# Altium PCB PCB1.PcbDoc (part 1 of 2) (continued)
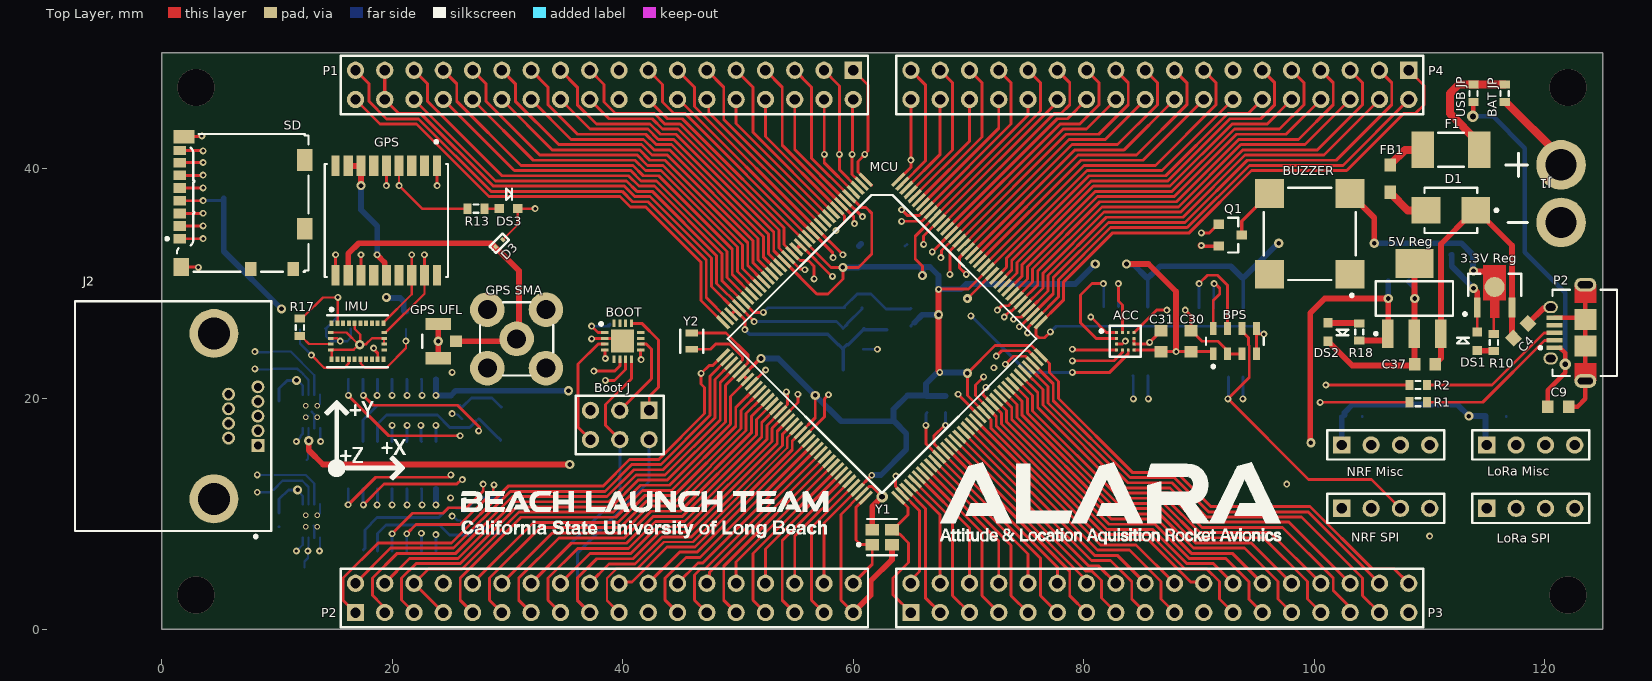
[diagram p0: Top Layer view]
## Footprints (in the part's own frame and the unit in brackets; to place one, negate y for a bottom-side part, rotate by r counter-clockwise, add the part's x,y. Pads: shape width x height; smd on the part's side, far side on the other; paste and mask are expansions set on the pad) (continued)
  silkscreen extent 1.28,-18.21 20.21,0.71, body extent -0.25,-19.74 21.75,2.26, height 1.59
MOLX-47589-0001_V [mm] "SMD, 5-Leads, Body 7.5x5.6mm, Pitch 0.65mm"
  rect 0.4x1.35 smd: 1(-1.3,1.175) 2(-0.65,1.175) 3(0,1.175) 4(0.65,1.175) 5(1.3,1.175)
  oval 1.05x1.25 hole 0.65 slot 0.85 at 90 deg: 6(-2.225,1.5) 7(2.225,1.5)
  oval 1.2x1.9 hole 0.6 slot 1.3 at 90 deg: 8(-4.175,-1.5) 11(4.175,-1.5)
  rect 1.8x1.9 smd: 9(-1.15,-1.5) 10(1.15,-1.5)
  Top Layer region: -2.6,-0.55 -4.175,-0.55 -4.175,-2.45 -2.6,-2.45
  Top Layer region: 2.6,-2.45 4.175,-2.45 4.175,-0.55 2.6,-0.55
  silkscreen extent -3.75,-4.25 3.75,2.52, body extent -4.32,-4.25 4.32,1.64, height 2.74
MOLX-104031-0811_V [mm] "Micro SD, 8-Leads, Body 11.95x11.4mm, Pitch 1.1mm"
  rect 0.85x1.1 smd: 1(3.113,-5.412) 2(2.013,-5.412) 3(0.913,-5.412) 4(-0.188,-5.412) 5(-1.288,-5.412) 6(-2.387,-5.412) 7(-3.487,-5.412)
  rect 0.75x1.1 smd: 8(-4.537,-5.412)
  rect 1.2x1 smd: 9(5.747,0.738) 10(5.748,4.438)
  rect 1.55x1.35 smd: 11(5.573,-5.287)
  rect 1.17x1.8 smd: 12(-5.747,-5.062)
  rect 1.9x1.35 smd: 13(-3.722,5.413) 14(2.248,5.413)
  silkscreen extent -5.97,-6.64 5.98,5.74, body extent -5.97,-5.66 5.98,5.74, height 1.45
QFN50P300X300X65-17N-D [mm]
  rect 0.65x0.25 smd: 1(-1.55,0.75) 2(-1.55,0.25) 3(-1.55,-0.25) 4(-1.55,-0.75) 9(1.55,-0.75) 10(1.55,-0.25) 11(1.55,0.25) 12(1.55,0.75)
  rect 0.25x0.65 smd: 5(-0.75,-1.55) 6(-0.25,-1.55) 7(0.25,-1.55) 8(0.75,-1.55) 13(0.75,1.55) 14(0.25,1.55) 15(-0.25,1.55) 16(-0.75,1.55)
  rect 2x2 smd: 17(0,0)
  silkscreen extent -2,1.38 -1.75,1.62, body extent -1.55,-1.55 1.55,1.55, height 0.65
ROS-32K101-400L5_V [mm] "SMA Straight Jack, 6.35x6.35x9.5mm, Rosenberger Recommended"
  round 3 hole 1.65: 1(0,0) MH(-2.54,-2.54) MH(-2.54,2.54) MH(2.54,-2.54) MH(2.54,2.54)
  silkscreen extent -3.17,-3.18 3.18,3.17, body extent -3.17,-3.17 3.18,3.18, height 9.5
SMD-0603 [mm] "Chip Inductor, 2-Leads, Body 1.6x0.8mm"
  rect 0.85x0.7 smd: 1(-0.775,0) 2(0.775,0)
  body extent -0.8,-0.4 0.8,0.4, height 0.79
SMD-0805 [mm] "Chip Inductor, 2-Leads, Body 2.0x1.2mm"
  rect 1.15x1 smd: 1(-1.175,0) 2(1.175,0)
  body extent -1,-0.6 1,0.6, height 0.89
"SOIC-8 - duplicate" [mm]
  rect 2x0.5 smd: 1(0,0)
  oval 2x0.5 smd: 2(0,-1.27) 3(0,-2.54) 4(0,-3.81) 5(6,-3.81) 6(6,-2.54) 7(6,-1.27) 8(6,0)
  silkscreen extent 1.27,-4.44 4.7,0.63, body extent 0.05,-4.36 6.05,0.55, height 1.7
SOT-223-DB3_M [mm] "SOT223, 4-Leads, Body 6.5x3.5mm, Pitch 2.3mm, Lead Span 7mm, IPC Low Density"
  rect 2.5x1 smd: 1(-3.05,2.3) 2(-3.05,0) 3(-3.05,-2.3)
  rect 2.5x3.3 smd: 4(3.05,0)
  silkscreen extent -3.17,-3.35 1.5,3.47, body extent -1.85,-3.35 1.85,3.35, height 1.8
TECO-MS560702BA03-50_V [mm] "SMD, 8-Leads, Body 3x5mm, Pitch 1.25mm"
  rect 1.1x0.6 smd: 1(-1.1,1.875) 2(-1.1,0.625) 3(-1.1,-0.625) 4(-1.1,-1.875) 5(1.1,-1.875) 6(1.1,-0.625) 7(1.1,0.625) 8(1.1,1.875)
  silkscreen extent -2.32,-2.5 0.32,2.5, body extent -1.5,-2.5 1.5,2.5, height 1
WE-150060VS75000_V [mm] "SMD, 2-Leads, Body 1.6x0.8mm"
  rect 0.8x0.8 smd: 1(-0.8,0) 2(0.8,0)
  silkscreen extent -0.3,-1.75 0.2,-0.75, body extent -0.8,-0.4 0.8,0.4, height 0.7
XT30 [mm]
  round 4.3 hole 2.7: 1(0,0) 2(5,0)
  body extent -2.62,-2.63 7.62,2.63, height 10.75

## Part data
"3.3V Reg": library part CMP-12756-000007-1, "IC REG LINEAR 3.3V 800MA SOT89", Dropout Voltage=1.2V, Manufacturer="Diodes Inc.", Max Junction Temp=+125°C, Max Supply Voltage=15V, Nominal Supply Current=4mA, Output Current=1.35A, Output Voltage=3.3V, Package=SOT89, Temperature="-20°C to +125°C", Temperature Range Low=-20°C, Accuracy Percentage=1%, Automotive=No, Category=IC, ComponentLink2Description=Datasheet, ComponentLink2URL=https://www.diodes.com/assets/Datasheets/AZ1117C.pdf, Device Class L1="Integrated Circuits (ICs)", Device Class L2="Power Management ICs", Device Class L3="Voltage Regulators - Linear", Digikey Description="IC REG LINEAR 3.3V 800MA SOT89", Footprint Url=https://www.diodes.com/assets/Package-Files/SOT89.pdf, Height=1.6mm, Lead Free=Yes, Manufacturer Part Number=AZ1117CR-3.3TRG1, Mouser Description="DiodesZetex AZ1117CR-3.3TRG1, LDO Regulator, 800mA, 3.3 V, ±1% 3-Pin, SOT-89", Number Of Outputs=1, Octopart=https://octopart.com/az1117cr-3.3trg1-diodes+inc.-30954805, Output Type=Fixed, RoHS=TRUE, Temperature Range High=+125°C
"5V Reg": library part CMP-0136-00510-1, "150 mA, 28V LDO Regulator With Shutdown, 3-Pin SOT-223, Industrial Temperature, Tape and Reel", DatasheetVersion="revB, Nov-2009", PackageDescription="3-Lead Plastic Small Outline Transistor (DB) [SOT-223]", PackageReference=SOT-223-DB3, PackageVersion="revBB, Aug-2009"
ACC: library part CMP-223024-000001-1, "105C OPERATING HIGHER BANDWIDTH,"
"BAT JP" R1 R2 R3 R10 R11 R12 R13 R14 R15 R16 R17 R18 "USB JP": library part Res3, "Resistor", LatestRevisionDate=29-May-2009, LatestRevisionNote="IPC-7351 Footprint Added.", PackageDescription="Chip Resistor", PackageReference=J1-0603, Published=8-Jun-2000, Publisher="Altium Limited"
BOOT: "Integrated Circuit", Manufacturer_Name=NXP, Mouser Part Number=841-MKL02Z32VFG4, Arrow Part Number=MKL02Z32VFG4, Arrow Price/Stock=https://www.arrow.com/en/products/mkl02z32vfg4/nxp-semiconductors, Datasheet Link=http://www.nxp.com/docs/en/data-sheet/KL02P32M48SF0.pdf, Height=0.65mm, Manufacturer_Part_Number=MKL02Z32VFG4, Mouser Price/Stock=https://www.mouser.co.uk/ProductDetail/NXP-Semiconductors/MKL02Z32VFG4?qs=RECgZY%252BK1xLpPFD7GzHxWg%3D%3D
"Boot J": "Header, 3-Pin, Dual row", LatestRevisionDate=17-Jul-2002, LatestRevisionNote="Re-released for DXP Platform.", Publisher="Altium Limited"
BPS: library part CMP-2000-07512-1, "Barometric Pressure Sensor, with Stainless Steel Cap , 1.8 to 3.6 V, -40 to 85 degC, 8-Pin SMD, RoHS, Tape and Reel", Manufacturer="TE Connectivity", Package Description="8-Pin Surface Mount Device, Body 3 x 5 mm, Pitch 1.25 mm", Datasheet URL=http://www.te.com/commerce/DocumentDelivery/DDEController?Action=showdoc&DocId=Data+Sheet%7FMS5607-02BA03%7FB2%7Fpdf%7FEnglish%7FENG_DS_MS5607-02BA03_B2.pdf%7FMS560702BA03-50, Datasheet Version=06/2017, Lead Free=LeadFree, Manufacturer URL=http://www.te.com/, Mounting Technology=SurfaceMount, Package Reference=MS560702BA03-50, RoHSCompliant=false
BUZZER: library part CMP-247804-000002-1, "AUDIO MAGNETIC XDCR 2-4V SMD", Current=100mA, Frequency=2700Hz, Manufacturer="Soberton Inc.", Max Supply Voltage=4.5V, Min Supply Voltage=2.5V, Operating Supply Voltage=3.6V, Temperature="-30°C to +85°C", Temperature Range High=+85°C, Temperature Range Low=-30°C, Automotive=No, Category=Speak, ComponentLink2Description=Datasheet, ComponentLink2URL=https://www.soberton.com/wp-content/uploads/2019/02/ST-025BH-19-Feb-2019.pdf, Device Class L1=Electromechanical, Device Class L2="Audio Products", Device Class L3=Buzzers, Digikey Description="AUDIO MAGNETIC XDCR 2-4V SMD", Height=3mm, Lead Free=Yes, Manufacturer Part Number=ST-025BH, Octopart=https://octopart.com/st-025bh-soberton-22171825, Package=ST-025BH, RoHS=TRUE
C4 C6 C7 C9 C11 C12 C20 C21 C22 C23 C24 C25 C26 C28 C29 C30 C31 C35 C36 C37 C38 C39 C40 C41 C42 C43 C44 C45 C46 C47 C48: library part C?
C49 C50: library part CMP-2006-01550-1, Manufacturer=Vitramon, Part Number=VJ0603Y104KXQCW1BC
"CAN1 CON" "CAN2 CON": library part CMP-06298-000003-1, "IC CANBUS CONTROLLER SPI 14SOIC", Ambient Temperature Range High=+150°C, Ambient Temperature Range Low=-40°C, Manufacturer=Microchip, Max Junction Temp=+165°C, Max Supply Voltage=5.5V, Min Supply Voltage=2.7V, Nominal Supply Current=15mA, Package=C04-065-SL, Temperature="-40°C to +150°C", Automotive=No, Category=IC, ComponentLink2Description=Datasheet, ComponentLink2URL=http://ww1.microchip.com/downloads/en/DeviceDoc/MCP2517FD-External-CAN-FD-Controller-with-SPI-Interface-20005688B.pdf, Device Class L1="Integrated Circuits (ICs)", Device Class L2="Interface ICs", Device Class L3=Controllers, Digikey Description="IC CANBUS CONTROLLER SPI 14SOIC", Footprint Url=http://ww1.microchip.com/downloads/en/DeviceDoc/14L%20SOIC%203_90%20mm%20%28SL%29%20C04-00065d.pdf, Function=Controller, Height=1.75mm, Interface=SPI,CAN, Ipc Land Pattern Name=SOIC127P600X175-14, Lead Free=Yes, Manufacturer Part Number=MCP2517FD-H/SL, Mouser Description="Stand-Alone Can Fd Controller w/Spi Interface, 14 Soic .150in Tube", Octopart=https://octopart.com/mcp2517fd-h%2Fsl-microchip-83497369, RoHS=TRUE, Standoff Height=0.1mm, Temperature Range High=+150°C, Temperature Range Low=-40°C
"CAN1 TRAN" "CAN2 TRAN": library part CMP-06279-000021-1, "IC TRANSCEIVER 1/1 8TDFN", Max Operating Temperature=125°C, Min Operating Temperature=-40°C, Data Rate=8Mbps, Mount="Surface Mount", Packaging="Tape and Reel", Receiver Hysteresis=200mV, RoHS Compliant=Yes
D1: library part CMP-12791-000030-1, "DIODE GEN PURP 1KV 3A SMB", Capacitance=40pF, Forward Current=3A, Manufacturer="Diodes Inc.", Max Junction Temp=+150°C, Max Repetitive Reverse Voltage=1000V, Max Surge Forward Current=100A, Package=SMB, Peak Reverse Current=10uA, Temperature="-65°C to +150°C", Temperature Range Low=-65°C, Automotive=No, Category=Diode, ComponentLink2Description=Datasheet, ComponentLink2URL=https://www.diodes.com/assets/Datasheets/ds16005.pdf, Device Class L1="Discrete Semiconductors", Device Class L2=Diodes, Device Class L3="Rectifier Diodes", Digikey Description="DIODE GEN PURP 1KV 3A SMB", Footprint Url=https://www.diodes.com/assets/Package-Files/SMB.pdf, Height=2.5mm, Lead Free=Yes, Manufacturer Part Number=S3MB-13-F, Mouser Description="Rectifiers 1000V 3A", Octopart=https://octopart.com/s3mb-13-f-diodes+inc.-333387, Reverse Voltage=1000V, RoHS=TRUE, Standoff Height=0.05mm, Temperature Range High=+150°C
D3 NOR1 NOR2: library part Component_1
DS1 DS2 DS3: library part CMP-1426-00006-4, "WL-SMCW SMD Chip LED Top View Monocolor Waterclear, 30 mA, 2 V, -40 to 85 degC, 2-Pin SMD, RoHS, Tape and Reel", ComponentLink1Description="Manufacturer URL", ComponentLink1URL=https://www.we-online.com/, ComponentLink2Description=Datasheet, ComponentLink2URL=http://katalog.we-online.de/led/datasheet/150060VS75000.pdf, DatasheetVersion="Rev. 2.7", Mounting Technology="Surface Mount", PackageDescription="2-Pin Surface Mount Device, Body 1.6 x 0.8 mm", PartNumber=150060VS75000, RoHSCompliant=True
F1: library part CMP-08605-000061-1, "FUSE BRD MNT 1A 125VAC/VDC 2SMD", Fuse Current=1A, Fuse Interrupt Ac Current=50A, Fuse Interrupt Dc Current=300A, Manufacturer="Littelfuse Inc", Max Fuse Ac Voltage=125V, Package=0451, Resistance=0.078Ω, Temperature="-55°C to +125°C", Temperature Range High=+125°C, Temperature Range Low=-55°C, Automotive=No, Category=Fuse, ComponentLink2Description=Datasheet, ComponentLink2URL=https://www.littelfuse.com/~/media/electronics/datasheets/fuses/littelfuse_fuse_451_453_datasheet.pdf.pdf, Device Class L1="Circuit Protection", Device Class L2=Fuses, Device Class L3=unset, Digikey Description="FUSE BRD MNT 1A 125VAC/VDC 2SMD", Fuse Blow Speed=Fast, Fuse I2T=0.6029A2Sec, Height=2.94mm, Lead Free=Yes, Manufacturer Part Number=0451001.MRL, Max Fuse Dc Voltage=125V, Mouser Description="Surface Mount Fuses 125V 1A", Octopart=https://octopart.com/0451001.mrl-littelfuse-566368, RoHS=TRUE, Voltage Rating=125V
FB1: library part CMP-0220-00030-1, "SMD EMI Suppression Ferrite Bead WE-CBF, Z = 120 Ohm", ComponentLink1Description="Manufacturer Link", ComponentLink1URL=http://www.we-online.com, ComponentLink2Description=Datasheet, ComponentLink2URL=http://www.we-online.de/katalog/media/pdf/742792023.pdf, DatasheetVersion=Dec-2005, Impedance="120 Ohm", PackageDescription="Chip Inductor, 2-Leads, Body 2.0 x 1.2 mm", PackageReference=SMD-0805, PackageVersion=2005
FB2 FB3: library part CMP-0220-00181-1, "SMD EMI Suppression Ferrite Bead WE-CBF, Z = 600 Ohm", ComponentLink1Description="Manufacturer Link", ComponentLink1URL=http://www.we-online.com, ComponentLink2Description=Datasheet, ComponentLink2URL=http://www.we-online.de/katalog/media/pdf/742792651.pdf, DatasheetVersion=Dec-2005, Impedance="600 Ohm", PackageDescription="Chip Inductor, 2-Leads, Body 1.6 x 0.8 mm", PackageReference=SMD-0603, PackageVersion=2009
GPS: library part CMP-207130-000017-1, "RF RCVR GNSS/GPS 1.575GHZ 18LCC", Case/Package=SMD/SMT, Current - Receiving=23mA, Frequency=1.575GHz, Max Operating Temperature=85°C, Min Operating Temperature=-40°C, Interface=I2C, Packaging="Cut Tape", RoHS Compliant=Yes, Sensitivity=-167dBm
"GPS SMA": library part CMP-0751-00001-1, "SMA Straight Jack, Up to 18 GHz, -55 to 155 degC", Manufacturer=Rosenberger, ComponentLink1Description="Manufacturer URL", ComponentLink1URL=http://www.rosenberger.de, ComponentLink2Description=Datasheet, ComponentLink2URL=http://rosenberger.de/ok/images/documents/db/32K101-400L5.pdf, ComponentLink3Description="Package Specification", ComponentLink3URL=http://rosenberger.de/ok/images/documents/db/32K101-400L5.pdf, ComponentLink4Description="Series Overview / Design Note", ComponentLink4URL=http://rosenberger.de/ok/images/documents/spez/32.pdf, ComponentLink5Description="Webshop / RFQ", ComponentLink5URL=http://www.rosenberger.com/en/contact/sales/, DatasheetVersion=a00, Design Note="Footprint in library is a generic example - only application specific footprint delivers High Performance", Mounting Technology="Through Hole", PackageDescription="SMA Straight Jack, 6.35 x 6.35 x 9.5 mm", PackageReference=32K101-400L5, PackageVersion=a00, PartNumber=32K101-400L5
"GPS UFL": library part CMP-2000-05152-3, "CONN U.FL RCPT STR 50 OHM SMD", Dielectric Material=Polymer, Frequency=6GHz, Housing Color=Beige, Insulation Resistance=500MR, Max Operating Temperature=90°C, Min Operating Temperature=-40°C, Package Quantity=2500, Body Material=Bronze, Body Plating=Silver, Connector Type=Coaxial, Contact Material=Brass, Contact Plating=Gold, Depth=3.1mm, Fastening Type=Snap, Gender=Male, Impedance=50R, Lead Free="Lead Free", Length=3mm, Max Frequency=6GHz, Mount="Surface Mount", Orientation=Straight, Packaging="Cut Tape", Radiation Hardening=No, REACH SVHC="No SVHC", Series=U.FL, Termination=Solder, Weight=0.001764oz, Wire/Cable Type=Coaxial
IMU: library part CMP-2000-05075-4, "IMU ACCEL/GYRO/MAG I2C 28LGA", Case/Package=LGA, Max Operating Temperature=85°C, Min Operating Temperature=-40°C, Lead Free="Lead Free", Mount="Surface Mount", Output Type=I2C, Packaging="Tape and Reel", Sensor Type=Accelerometer
J2: library part 572f0a5267336060156cc31caef0afa, "CONN MICRO-D PLUG 9POS R/A SLDR", Color=Black, Current Rating=1A, Flammability Rating="UL94 V-0", Insulation Resistance=5GR, Max Operating Temperature=125°C, Max Supply Voltage=350V, Min Operating Temperature=-55°C, Package Quantity=156, Contact Material=Copper, Contact Plating=Gold, Depth=7.82mm, ELV=Compliant, Gender=Male, Halogen Free="Low Halogen", Housing Color=Black, Housing Material=Steel, Lead Free="Lead Free", Length=19.94mm, Mount="Through Hole", Number of Circuits=9, Number of Contacts=9, Number of Ports=1, Number of Positions=9, Number Of Rows=2, Number of Terminals/Pins=9, Orientation="Right Angle", Packaging=Rail/Tube, Pitch=1.27mm, Plating=Steel, Radiation Hardening=No, REACH SVHC="No SVHC", Series="Micro D", Shell Material=Steel, Shell Size=E, Shielding=Shielded, Termination=Solder, Voltage Rating=350V, Voltage Rating (AC)=350V, Width=16.89mm
"LoRa Misc" "LoRa SPI" "NRF Misc" "NRF SPI": "Header, 4-Pin", LatestRevisionDate=17-Jul-2002, LatestRevisionNote="Re-released for DXP Platform.", Publisher="Altium Limited"
MCU: library part COMPONENT_1
P1 P2 P3 P4: "Header, 18-Pin, Dual row", LatestRevisionDate=17-Jul-2002, LatestRevisionNote="Re-released for DXP Platform.", Publisher="Altium Limited"
P2: library part CMP-2000-05610-1, "Right Angle Female Type AB Micro USB Connector, 30 V, 1.8 A, -30 to 85 degC, RoHS, Tape and Reel", Color=Black, Current Rating=1.8A, Manufacturer=Molex, Operating Temperature Range=-20Cto+85C, Package Description="Micro USB Connector, Pitch 0.65 mm, 5 Positions, Body 7.5 x 5.6 mm", Voltage Rating=30VAC, Brand=Molex, Connector Type=MicroUSBTypeABreceptacle, Contact Material=CopperAlloy, Contact Plating=Gold, Datasheet URL=http://www.molex.com/webdocs/datasheets/pdf/en-us/0475890001_IO_CONNECTORS.pdf, Datasheet Version=12/2016, Gender=Female, Manufacturer URL=http://www.molex.com/, Mounting Angle=Right, Mounting Technology=SurfaceMount, Number of Contacts=5Contact, Number of Ports=1Port, Package Reference=47589-0001, Package URL=http://www.molex.com/pdm_docs/sd/475890001_sd.pdf, Packaging=Reel, Product=MicroUSBTypeABConnectors, Product Category=USBConnectors, RoHS=True, Series=47589, Standard=USB, Termination Style=SMD/SMT
Q1: library part CMP-12801-000103-1, "MOSFET N-CH 20V 4.2A SOT23", Case/Package=SOT-23-3, Continuous Drain Current (ID)=4.2A, Drain to Source Breakdown Voltage=20V, Drain to Source Resistance=90mR, Gate to Source Voltage (Vgs)=8V, Input Capacitance=594.3pF, Max Operating Temperature=150°C, Max Power Dissipation=800mW, Min Operating Temperature=-55°C, On-State Resistance=90MR, Package Quantity=3000, Threshold Voltage=1V, Drain to Source Voltage (Vdss)=20V, Element Configuration=Single, Fall Time=6.7ns, FET Type="1 N-Channel", Height=1mm, Lead Free="Lead Free", Length=3mm, Mount="Surface Mount", Number Of Channels=1, Number of Elements=1, Number of Pins=3, Packaging="Tape and Reel", Power Dissipation=800mW, Radiation Hardening=No, Rds On Max=90mR, REACH SVHC="No SVHC", Rise Time=9.8ns, Turn-Off Delay Time=28.1ns, Turn-On Delay Time=7.4ns, Weight=0.000282oz, Width=1.4mm
SD: library part CMP-2000-05825-1, "Micro SD Card, RA, -25 to 85 degC, 8-Pin SMD, RoHS, Tape and Reel", Current Rating=500mA, Manufacturer=Molex, Package Description="8-Pin Surface Mount Device, Body 11.95 x 11.4 mm, Pitch 1.1 mm", Voltage Rating=10VAC/DC, Brand=Molex, Card Type=microSD, Contact Material=PhosphorBronze, Contact Plating=Gold, Datasheet URL=http://www.molex.com/pdm_docs/sd/1040310811_sd.pdf, Datasheet Version="Rev. E, 04/2006", Height=1.42mm, Housing Material=LiquidCrystalPolymer(LCP), Insertion - Extraction Style=Push-Pull, Length=11.4mm, Manufacturer URL=http://www.molex.com/, Mating Cycles=10000, Mounting Technology=SurfaceMount, Mounting Type=Standard, Number of Contacts=8, Number Of Rows=1Row, Orientation=RightAngle, Package Reference=104031-0811, Packaging=Reel, Pitch=1.1mm, Product=CardConnectors, Product Category=MemoryCardConnectors, RoHS=True, Series=104031, Termination Style=SMD
Y1: library part CMP-2000-05279-2, "CRYSTAL 16.0000MHZ 8PF SMD", Case/Package=SMD/SMT, ESR (Equivalent Series Resistance)=80R, Frequency=16MHz, Frequency Stability=25ppm, Frequency Tolerance=15ppm, Load Capacitance=8pF, Max Operating Temperature=85°C, Min Operating Temperature=-40°C, Package Quantity=3000, Height=0.022inch, Length=0.098inch, Mount="Surface Mount", Number of Pins=4, Packaging="Tape and Reel", Series Resistance=80R, Width=0.079inch
Y2: library part CMP-40224-000024-1, "CRYSTAL 32.7680KHZ 12.5PF SMD", Case/Package=SMD/SMT, ESR (Equivalent Series Resistance)=90kR, Frequency=32.768kHz, Frequency Stability=-0.03ppm, Frequency Tolerance=20ppm, Load Capacitance=12.5pF, Max Operating Temperature=85°C, Min Operating Temperature=-40°C, Package Quantity=1, Height=0.024inch, Lead Free="Lead Free", Length=0.079inch, Mount="Surface Mount", Number of Pins=2, Packaging="Tape and Reel", Termination=SMD/SMT, Tolerance=20ppm, Width=1.2mm
Y3 Y4: library part CMP-20727-000002-1, "CRYSTAL 40.0000MHZ 8PF SMD", Frequency=40MHz, Load Capacitance=8pF, Manufacturer="Kyocera International Inc. Electronic Components", Package=CX2016DB, Temperature="-30°C to +85°C", Temperature Range High=+85°C, Temperature Range Low=-30°C, Tolerance=15ppm, Automotive=No, Category=Crys, ComponentLink2Description=Datasheet, ComponentLink2URL=https://global.kyocera.com/prdct/electro/product/pdf/cx2016db_e.pdf, Device Class L1="Passive Components", Device Class L2="Crystals / Oscillators", Device Class L3=Crystals, Digikey Description="CRYSTAL 40.0000MHZ 8PF SMD", Esr=50Ω, Height=0.45mm, Lead Free=Yes, Manufacturer Part Number=CX2016DB40000D0FLJCC, Mouser Description="Crystal 40MHz 8pF 4-Pin SMD T/R", Octopart=https://octopart.com/cx2016db40000d0fljcc-avx+%2F+kyocera-71139660, RoHS=TRUE, Series=CX2016DB, Stability=15ppm

## Via types
v1: diameter 0.6, hole 0.3, Top Layer to Bottom Layer, 143 vias
v2: diameter 0.8, hole 0.4, Top Layer to Bottom Layer, 26 vias
v3: diameter 0.5, hole 0.3, Top Layer to Bottom Layer, 8 vias
v4: diameter 3.2, hole 3.2, Top Layer to Bottom Layer, 4 vias
v5: diameter 1, hole 0.5, Top Layer to Bottom Layer, 3 vias
v6: diameter 0.8, hole 0.3, Top Layer to Bottom Layer, 1 vias

## Nets (pads, with @x,y where several pads share a name; then routed paths per layer and width w, separated by ;. In a path a pad name is that pad's centre, name@x,y a point inside that pad or via, vN(x,y) a via of type N, cw(c..) or ccw(c..) an arc to the next point about the centre after c; other vN are vias at no path point)
3.3V: "3.3V Reg.2" "CAN1 CON.14" "CAN1 TRAN.5" "CAN2 CON.14" "CAN2 TRAN.5" "LoRa Misc.1" "NRF Misc.1" ACC.3 ACC.7 BOOT.1 BPS.1 BUZZER.2 C11.1 C20.1 C21.1 C22.1 C23.1 C24.1 C25.1 C26.1 C28.1 C29.1 C30.1 C31.1 C35.1 C36.1 C45.1 C46.1 C48.1 C49.2 C50.2 FB2.2 GPS.7 GPS.8 GPS.14 IMU.3 IMU.28 MCU.5 MCU.16 MCU.21 MCU.42 MCU.43 MCU.56 MCU.70 MCU.94 MCU.108 MCU.122 MCU.135 NOR1.8 NOR2.8 P1.5 P1.16 P1.21 P2.6@21.9,4 P2.7@24.44,1.46 P2.20 P2.34 P3.22 P3.36 P4.14 P4.27 R10.2 R11.2 R12.2 R16.1 R17.2 SD.4 | length 619.2
  Top Layer w0.2: R17.2@12.1,26.9 12.1,26.95 12.35,27.2 12.4,27.2 13.998,28.798 15.115,28.798 15.2,28.713 v1@15.2,28.7 ; IMU.3@14.687,25.25 15.25,25.25 v1(15.5,25) ; IMU.28@15.25,26.562 15.275,26.587 15.275,28.775 v1(15.3,28.8) ; R10.2@115.57,25.654 115.57,27.94 ; 115.584,29.75 115.634,29.7
  Top Layer w0.25: SD.4@1.6,37.2 SD.4@1.588,37.187 v1@3.588,37.187 ; GPS.8@16.2,40.219 GPS.8@16.219,40.2 ; P2.7@24.44,1.46 P2.6@21.9,4 23.15,5.25 26.073,5.25 30.998,10.175 39.21,10.175 41.535,12.5 44.055,12.5 49.358,17.803 49.358,20.207 MCU.43@50.827,21.676 ; P1.21@34.6,48.5 36.065,47.035 36.065,45.515 37.73,43.85 42.377,43.85 43.277,42.95 44.614,42.95 53.1,34.464 53.1,32.838 MCU.21@54.009,31.929 56.838,29.1 57.8,29.1 59.1,30.4 v2(59.1,31.4) ; v1@37.295,26.305 v1(37.3,26.3) 37.85,25.75 BOOT.1@38.45,25.75 ; P2.20@39.68,4 39.785,4.105 40.805,4.105 43.85,7.15 46.271,7.15 54.708,15.587 54.708,16.33 55.423,17.044 MCU.56@55.423,17.08 56.7,18.357 v2(56.7,20.3) ; P1.16@42.22,45.96 43.88,44.3 45.173,44.3 MCU.16@55.777,33.697 58.073,31.4 v2(59.1,31.4) ; P1.5@54.92,48.5 56.385,47.035 56.385,40.867 MCU.5@59.666,37.586 59.701,37.586 60.687,36.6 61.1,36.6 61.6,36.1 61.6,32.55 60.45,31.4 v2(59.1,31.4) ; P2.34@57.46,4 57.46,9.217 MCU.70@60.373,12.13 60.373,12.139 61.6,13.366 v1(61.6,13.375) ; v2(66,30.7) 66,31.5 65.375,32.125 65.375,34.103 MCU.135@67.09,35.818 76.235,44.963 76.235,47.425 P4.27@75.16,48.5 ; v1@67.425,29.525 69.99,29.525 MCU.122@71.687,31.222 80.265,39.8 86.78,39.8 P4.14@92.94,45.96 ; ACC.3@82.838,24.75 83.35,24.75 v1(83.6,25) ; ACC.7@84.363,24.25 85.55,24.25 86.55,24.25 C31.1@86.7,24.1 v1(88,24.1) C30.1@89.3,24.1 BPS.1@91.2,24.1 ; P3.22@90.4,4 90.295,4.105 89.275,4.105 85.605,7.775 81.628,7.775 71.951,17.451 71.951,18.194 71.333,18.812 MCU.94@71.333,18.847 69.9,20.281 v2(69.9,22.225) 72.298,24.623 75.457,24.623 MCU.108@76.283,23.797 77.026,23.054 77.026,22.276 77.801,21.501 77.801,20.021 84.197,13.625 88.028,13.625 91.003,10.65 99.626,10.65 105.013,5.263 106.917,5.263 P3.36@108.18,4
  Top Layer w0.3: MCU.43@50.827,21.676 MCU.42@50.473,22.029 51.944,23.5 v2(52,23.5)
  Top Layer w0.5: GPS.8@16.219,40.2 17.3,40.2 v2(17.3,38.5) ; v1(18.7,32.5) 18.7,32.473 19.35,31.823 19.35,30.869 GPS.14@19.5,30.719 ; v1(67.4,29.5) v2(67.4,27.3) 67.4,22.427 67.5,22.327 v1(67.5,22.3) ; v2(83.7,31.7) 85.6,31.7 88,29.3 v1(88,24.1) ; BUZZER.2@103.1,37.8 105.2,35.7 v2(105.2,33.5) ; v2(113.8,31.1) 113.857,31.043 115.457,31.043 115.991,30.509
  Top Middle Layer w0.25: v1@83.5,25 v1(83.6,25)
  Top Middle Layer w0.5: v2(11.8,12.1) 22.5,12.1 v1(23.8,10.8) ; v1(18.7,32.5) 19.5,31.7 v2@19.5,29.1 ; v2(19.5,28.8) v1(15.3,28.8) 11.4,28.8 v2(10.4,27.8) 10.4,24.3 11.7,23 v2(11.7,21.6) 22.5,21.6 v1(23.8,20.3)
  Bottom Middle Layer w0.25: v1(83.6,25) 84.5,24.1 v1(88,24.1)
  Bottom Middle Layer w0.3: v2@51.974,23.5 v2(52,23.5)
  Bottom Middle Layer w0.5: v2(11.7,21.6) 10.7,20.6 10.7,13.026 11.054,12.673 11.146,12.673 11.719,12.1 v2(11.8,12.1) ; v2(35.3,20.7) 35.3,24.402 37.179,26.281 37.281,26.281 v1(37.3,26.3) 41.6,26.3 44.8,23.1 51.574,23.1 v2@51.974,23.5 ; v2(81,31.7) v2(83.7,31.7) ; v2(96.9,33.5) v2(105.2,33.5) ; v2(113.4,18.5) 114.75,19.85 114.75,30.15 v2(113.8,31.1)
  Bottom Layer w0.2: v2(11.7,21.6) 11.8,21.6 11.859,21.541 12.25,21.15 12.25,20.35 ; v2(11.8,12.1) 11.8,12.025 12.25,11.575 12.25,10.85 ; C46.1@14.2,26.1 14.283,26.017 14.283,25.417 14.7,25 v1(15.5,25) 16.1,25 16.4,25.3 C45.1@16.4,26.1 ; C46.1@14.3,26.15 15.3,27.15 v1(15.3,28.8) ; C36.1@102.25,18.5 C36.1@102.38,18.37 ; 114.85,16.15 115,16
  Bottom Layer w0.25: v1(3.6,37.2) 5.1,37.2 C29.1@5.2,37.3 ; C50.2@10.2,10.1 10.2,11.3 11,12.1 v2(11.8,12.1) ; C49.2@10.2,19.8 10.2,20.9 10.9,21.6 v2(11.7,21.6) ; v1(37.3,26.3) 38.8,26.3 C28.1@38.9,26.4 ; C28.1@38.75,26.4 C28.1@38.8,26.4 C28.1@38.9,26.5 ; C22.1@60.45,31.4 C22.1@60.5,31.45 ; C23.1@63.5,18.05 C23.1@63.55,18.05 ; FB2.2@65,26.3 65,26.375 65.225,26.6 FB2.2@65.3,26.6
  Bottom Layer w0.3: NOR2.8@85.54,28 C26.1@85.54,30.49 ; NOR1.8@93.81,27.9 C25.1@93.81,30.39
  Bottom Layer w0.5: C29.1@5.4,37.4 5.4,32.8 v2(10.4,27.8) ; C35.1@17.3,40.219 v2(17.3,38.5) 17.3,36.4 18.7,35 v1(18.7,32.5) ; v2(19.5,28.8) 19.557,28.743 20.707,28.743 21,28.45 21,27.65 21.1,27.55 R16.1@21.2,27.55 ; v1@23.81,10.89 23.81,12.2 ; 23.81,21.7 23.8,21.69 v1(23.8,20.3) 25.1,20.3 25.5,20.7 v2(35.3,20.7) ; v2(52,23.5) 53.5,23.5 v2(56.7,20.3) 58.95,18.05 C24.1@61.5,18.05 C23.1@63.5,18.05 63.5,19.1 64.7,20.3 R11.2@66.3,20.3 ; v2(59.1,31.4) C22.1@60.45,31.4 ; C22.1@60.5,31.45 C21.1@62.5,31.45 C20.1@64.5,31.45 65.95,31.45 65.957,31.443 66,31.443 ; v1(61.6,13.375) 61.619,13.394 62.394,13.394 64.6,15.6 64.6,17 C23.1@63.55,18.05 ; FB2.2@65.31,26.61 65.987,27.287 67.387,27.287 v2(67.4,27.3) ; v2(66,30.7) 66,31.443 ; R12.2@68,20.25 66.35,20.25 R11.2@66.3,20.3 ; v2(69.9,22.225) 69.844,22.281 67.519,22.281 v1(67.5,22.3) 67.481,22.281 67.281,22.281 66.3,21.3 R11.2@66.3,20.3 ; v2(81,31.7) 79.25,29.95 69.806,29.95 69.356,29.5 v1(67.4,29.5) 67.4,30.7 66.657,31.443 66,31.443 ; v2(83.7,31.7) 83.757,31.643 84.307,31.643 85.45,30.5 C26.1@85.5,30.5 ; C26.1@85.54,30.49 85.8,30.75 85.85,30.75 86.6,31.5 92.75,31.5 93.75,30.5 C25.1@93.8,30.5 ; C25.1@93.9,30.6 93.95,30.6 v2@96.85,33.5 ; 102.38,16 C36.1@102.38,18.37 ; C36.1@102.6,18.6 102.6,18.8 103.3,19.5 112.4,19.5 v2(113.4,18.5) C48.1@114.85,18.5 114.85,16.15 ; v2(105.2,33.5) 112.75,33.5 113.7,32.55 C11.1@113.7,32.5 113.75,32.45 113.75,31.15 v2(113.8,31.1)
5V: "5V Reg.1" "CAN1 TRAN.3" "CAN2 TRAN.3" C38.1 C41.1 C44.1 R18.2 | length 134.6
  Top Layer w0.2: 106.3,25.7 106.4,25.8
  Top Layer w0.5: v2(12.766,16.366) 12.766,15.534 14,14.3 v2(35.4,14.3) ; v2@99.65,16.15 99.65,27.45 100.9,28.7 v2(106.4,28.7) 106.4,25.8 ; R18.2@103.9,25.1 103.95,25.05 106.129,25.05 106.129,25.1 106.379,25.35 106.379,25.65
  Bottom Middle Layer w0.3: v1(12.7,6.8) 12.7,6.861 11.893,7.668 11.893,8.407 11.5,8.8 11.5,10.4 12.7,11.6 12.7,16.3 v2(12.766,16.366)
  Bottom Middle Layer w0.5: v2(35.4,14.3) 39.25,10.45 93.95,10.45 v2(99.7,16.2)
  Bottom Layer w0.2: C44.1@12.4,5.4 12.4,5.9 12.7,6.2 v1(12.7,6.8) ; C41.1@12.6,14.7 12.7,14.8 12.7,15.566 12.7,16.3 v2(12.766,16.366) ; v2@12.74,16.34 12.74,17.44 12.75,17.45 ; v1@12.75,6.75 12.75,7.95
  Bottom Layer w0.5: v2@106.4,28.6 v2(106.4,28.7) C38.1@106.4,30.2
9: MCU.9 P1.9 | length 15.8
  Top Layer w0.25: P1.9@49.84,48.5 51.305,47.035 51.305,43.118 MCU.9@58.252,36.172
10: MCU.10 P1.10 | length 13.5
  Top Layer w0.25: P1.10@49.84,45.96 49.84,43.876 MCU.10@57.898,35.818
11: MCU.11 P1.11 | length 17.3
  Top Layer w0.25: P1.11@47.3,48.5 48.765,47.035 48.765,44.244 MCU.11@57.544,35.464
12: MCU.12 P1.12 | length 14.9
  Top Layer w0.25: P1.12@47.3,45.96 47.467,45.793 47.467,44.835 MCU.12@57.191,35.111
15: MCU.15 P1.15 | length 20.8
  Top Layer w0.25: P1.15@42.22,48.5 43.454,47.266 43.454,45.745 44.45,44.75 45.431,44.75 MCU.15@56.13,34.05
22: MCU.22 P1.22 | length 26
  Top Layer w0.25: P1.22@34.6,45.96 37.16,43.4 42.191,43.4 43.091,42.5 44.428,42.5 52.65,34.278 52.65,32.581 MCU.22@53.655,31.575
23: MCU.23 P1.23 | length 30.3
  Top Layer w0.25: P1.23@32.06,48.5 33.525,47.035 33.525,45.515 36.09,42.95 42.004,42.95 42.904,42.05 44.241,42.05 52.2,34.091 52.2,32.324 MCU.23@53.302,31.222
24: MCU.24 P1.24 | length 28.2
  Top Layer w0.25: P1.24@32.06,45.96 35.52,42.5 41.818,42.5 42.718,41.6 44.055,41.6 51.75,33.905 51.75,32.067 MCU.24@52.948,30.868
25: MCU.25 P1.25 | length 32.5
  Top Layer w0.25: P1.25@29.52,48.5 30.687,47.333 30.687,45.813 34.45,42.05 41.632,42.05 42.532,41.15 43.869,41.15 51.3,33.719 51.3,31.809 MCU.25@52.595,30.515
26: MCU.26 P1.26 | length 30.4
  Top Layer w0.25: P1.26@29.52,45.96 33.88,41.6 41.445,41.6 42.345,40.7 43.682,40.7 50.85,33.532 50.85,31.552 MCU.26@52.241,30.161
27: MCU.27 P1.27 | length 34.7
  Top Layer w0.25: P1.27@26.98,48.5 28.147,47.333 28.147,45.813 32.81,41.15 41.259,41.15 42.159,40.25 43.496,40.25 50.4,33.346 50.4,31.295 MCU.27@51.888,29.808
28: MCU.28 P1.28 | length 32.6
  Top Layer w0.25: P1.28@26.98,45.96 32.24,40.7 41.072,40.7 41.972,39.8 43.309,39.8 49.95,33.159 49.95,31.038 MCU.28@51.534,29.454
29: MCU.29 P1.29 | length 37
  Top Layer w0.25: P1.29@24.44,48.5 25.607,47.333 25.607,45.813 31.17,40.25 40.886,40.25 41.786,39.35 43.123,39.35 49.5,32.973 49.5,30.781 MCU.29@51.181,29.101
30: MCU.30 P1.30 | length 34.8
  Top Layer w0.25: P1.30@24.44,45.96 30.6,39.8 40.7,39.8 41.6,38.9 42.937,38.9 49.05,32.787 49.05,30.524 MCU.30@50.827,28.747
35: MCU.35 P1.35 | length 43.9
  Top Layer w0.25: P1.35@16.82,48.5 17.987,47.333 17.987,45.813 19.513,44.287 22.3,44.287 28.587,38 39.954,38 40.854,37.1 42.191,37.1 47.25,32.041 47.25,28.788 MCU.35@49.059,26.979
36: MCU.36 P1.36 | length 41.8
  Top Layer w0.25: P1.36@16.82,45.96 18.943,43.837 22.114,43.837 28.401,37.55 39.768,37.55 40.668,36.65 42.005,36.65 46.8,31.855 46.8,28.531 MCU.36@48.706,26.626
38: MCU.38 P2.2@16.82,4 | length 42.3
  Top Layer w0.25: P2.2@16.82,4 19.87,7.05 25.328,7.05 30.253,11.975 38.464,11.975 40.789,14.3 43.31,14.3 47.558,18.549 47.558,21.943 MCU.38@49.059,23.444
39: MCU.39 P2.3@19.36,1.46 | length 44.2
  Top Layer w0.25: P2.3@19.36,1.46 19.121,1.699 19.121,2.129 18.285,2.965 18.285,4.445 20.44,6.6 25.514,6.6 30.439,11.525 38.651,11.525 40.976,13.85 43.496,13.85 48.008,18.362 48.008,21.686 MCU.39@49.413,23.09
47: MCU.47 P2.11@29.52,1.46 | length 34.3
  Top Layer w0.25: P2.11@29.52,1.46 28.445,2.535 28.445,4.445 32.825,8.825 39.769,8.825 42.094,11.15 44.614,11.15 50.708,17.244 50.708,18.729 51.972,19.993 MCU.47@52.007,19.993
48: MCU.48 P2.12 | length 30.5
  Top Layer w0.25: P2.12@29.52,4 33.895,8.375 39.956,8.375 42.281,10.7 44.801,10.7 51.158,17.058 51.158,18.472 MCU.48@52.595,19.908
49: MCU.49 P2.13 | length 32.4
  Top Layer w0.25: P2.13@32.06,1.46 30.985,2.535 30.985,4.445 34.465,7.925 40.142,7.925 42.467,10.25 44.987,10.25 51.608,16.871 51.608,18.215 MCU.49@52.948,19.555
54: MCU.54 P2.18 | length 23.9
  Top Layer w0.25: P2.18@37.14,4 38.815,5.675 41.074,5.675 43.399,8 45.919,8 53.858,15.939 53.858,16.929 MCU.54@54.716,17.787
55: P2.19 | length 25.8
  Top Layer w0.2: P2.19@39.68,1.46 38.63,2.51 38.63,4.435 39.445,5.25 41.25,5.25 43.575,7.575 46.095,7.575 54.283,15.763 54.283,16.647 55.07,17.433
58: MCU.58 P2.22 | length 19
  Top Layer w0.25: P2.22@42.22,4 44.92,6.7 46.458,6.7 MCU.58@56.13,16.373
59: MCU.59 P2.23 | length 21
  Top Layer w0.25: P2.23@44.76,1.46 43.685,2.535 43.685,4.445 45.49,6.25 46.715,6.25 MCU.59@56.484,16.019
60: MCU.60 P2.24 | length 16.9
  Top Layer w0.25: P2.24@44.76,4 46.528,5.768 46.939,5.768 MCU.60@56.837,15.666
61: MCU.61 P2.25 | length 19.1
  Top Layer w0.25: P2.25@47.3,1.46 46.225,2.535 46.225,4.725 46.75,5.25 47.129,5.25 MCU.61@57.191,15.312
62: MCU.62 P2.26 | length 15.2
  Top Layer w0.25: P2.26@47.3,4 47.539,4.239 47.539,4.953 MCU.62@57.544,14.958
63: MCU.63 P2.27 | length 17.4
  Top Layer w0.25: P2.27@49.84,1.46 48.765,2.535 48.765,5.472 MCU.63@57.898,14.605
69: MCU.69 P2.33 | length 13
  Top Layer w0.25: P2.33@57.46,1.46 56.385,2.535 56.385,8.849 MCU.69@60.019,12.484
75: MCU.75 P3.3 | length 11.9
  Top Layer w0.25: MCU.75@64.616,12.13 66.25,10.496 66.25,2.75 P3.3@67.54,1.46
76: MCU.76 P3.4 | length 9.5
  Top Layer w0.25: MCU.76@64.969,12.484 67.54,9.913 P3.4@67.54,4
78: MCU.78 P3.6 | length 11
  Top Layer w0.25: MCU.78@65.676,13.191 70.08,8.787 P3.6@70.08,4
85: MCU.85 P3.13 | length 19.2
  Top Layer w0.25: MCU.85@68.151,15.666 78.775,5.042 78.775,2.925 P3.13@80.24,1.46
86: MCU.86 P3.14 | length 16.9
  Top Layer w0.25: MCU.86@68.505,16.019 68.505,15.984 80.24,4.248 P3.14@80.24,4
87: MCU.87 P3.15 | length 21
  Top Layer w0.25: MCU.87@68.858,16.373 80.156,5.075 80.685,5.075 81.526,4.235 81.526,2.714 P3.15@82.78,1.46
88: MCU.88 P3.16 | length 18.8
  Top Layer w0.25: MCU.88@69.212,16.726 80.413,5.525 81.255,5.525 P3.16@82.78,4
89: MCU.89 P3.17 | length 23.1
  Top Layer w0.25: MCU.89@69.565,17.08 80.67,5.975 82.325,5.975 84.153,4.147 84.153,2.627 P3.17@85.32,1.46
90: MCU.90 P3.18 | length 21
  Top Layer w0.25: MCU.90@69.919,17.433 80.927,6.425 82.895,6.425 P3.18@85.32,4
91: MCU.91 P3.19 | length 25.2
  Top Layer w0.25: MCU.91@70.272,17.787 81.184,6.875 83.965,6.875 86.693,4.147 86.693,2.627 P3.19@87.86,1.46
92: MCU.92 P3.20 | length 23.1
  Top Layer w0.25: MCU.92@70.626,18.14 81.441,7.325 84.535,7.325 P3.20@87.86,4
97: MCU.97 P3.25 | length 32.2
  Top Layer w0.25: MCU.97@72.394,19.908 73.301,19 73.301,18.011 82.187,9.125 86.164,9.125 89.139,6.15 92.31,6.15 94.313,4.147 94.313,2.627 P3.25@95.48,1.46
98: MCU.98 P3.26 | length 30.1
  Top Layer w0.25: MCU.98@72.747,20.262 73.751,19.258 73.751,18.197 82.373,9.575 86.351,9.575 89.326,6.6 92.88,6.6 P3.26@95.48,4
99: MCU.99 P3.27 | length 34.4
  Top Layer w0.25: MCU.99@73.101,20.615 74.201,19.515 74.201,18.383 82.56,10.025 86.537,10.025 89.512,7.05 93.95,7.05 96.853,4.147 96.853,2.627 P3.27@98.02,1.46
100: MCU.100 P3.28 | length 32.3
  Top Layer w0.25: MCU.100@73.454,20.969 74.651,19.772 74.651,18.57 82.746,10.475 86.724,10.475 89.699,7.5 94.52,7.5 P3.28@98.02,4
101: MCU.101 P3.29 | length 36.6
  Top Layer w0.25: MCU.101@73.808,21.322 75.101,20.029 75.101,18.756 82.932,10.925 86.91,10.925 89.885,7.95 95.59,7.95 99.393,4.147 99.393,2.627 P3.29@100.56,1.46
102: MCU.102 P3.30 | length 34.5
  Top Layer w0.25: MCU.102@74.161,21.676 75.551,20.286 75.551,18.949 83.125,11.375 87.096,11.375 90.071,8.4 96.16,8.4 P3.30@100.56,4
113: MCU.113 P4.5 | length 40.7
  Top Layer w0.25: MCU.113@74.869,28.04 76.451,29.622 76.451,30.895 81.756,36.2 88.405,36.2 93.805,41.6 100.26,41.6 104.175,45.515 104.175,47.425 P4.5@103.1,48.5
116: MCU.116 P4.8 | length 34.4
  Top Layer w0.25: MCU.116@73.808,29.101 75.101,30.393 75.101,31.454 81.197,37.55 87.846,37.55 93.246,42.95 97.55,42.95 P4.8@100.56,45.96
117: MCU.117 P4.9 | length 36.3
  Top Layer w0.25: MCU.117@73.454,29.454 74.651,30.65 74.651,31.64 81.01,38 87.659,38 93.059,43.4 96.98,43.4 99.095,45.515 99.095,47.425 P4.9@98.02,48.5
118: MCU.118 P4.10 | length 32.1
  Top Layer w0.25: MCU.118@73.101,29.808 74.201,30.907 74.201,31.827 80.824,38.45 87.473,38.45 92.873,43.85 95.91,43.85 P4.10@98.02,45.96
119: MCU.119 P4.11 | length 34.1
  Top Layer w0.25: MCU.119@72.747,30.161 73.751,31.165 73.751,32.013 80.638,38.9 87.286,38.9 92.686,44.3 95.34,44.3 96.555,45.515 96.555,47.425 P4.11@95.48,48.5
120: MCU.120 P4.12 | length 29.9
  Top Layer w0.25: MCU.120@72.394,30.515 73.301,31.422 73.301,32.199 80.451,39.35 87.1,39.35 92.5,44.75 94.27,44.75 P4.12@95.48,45.96
123: MCU.123 P4.15 | length 29.3
  Top Layer w0.25: MCU.123@71.333,31.575 80.008,40.25 86.21,40.25 91.475,45.515 91.475,47.425 P4.15@90.4,48.5